# Altium PCB FMC_DAC_125M_14B_16CHA.PcbDoc (part 7 of 9)
Units mm, origin at the board's own origin, x right, y up, seen from the top; angles counter-clockwise.
Board outline 77.15 x 69 mm, 8 copper layers (L1, P2, L3, P4, L5, P6, L7, L8), stack 1.438 mm thick; 612 components, 516 nets, 2304 pads, 1339 vias.
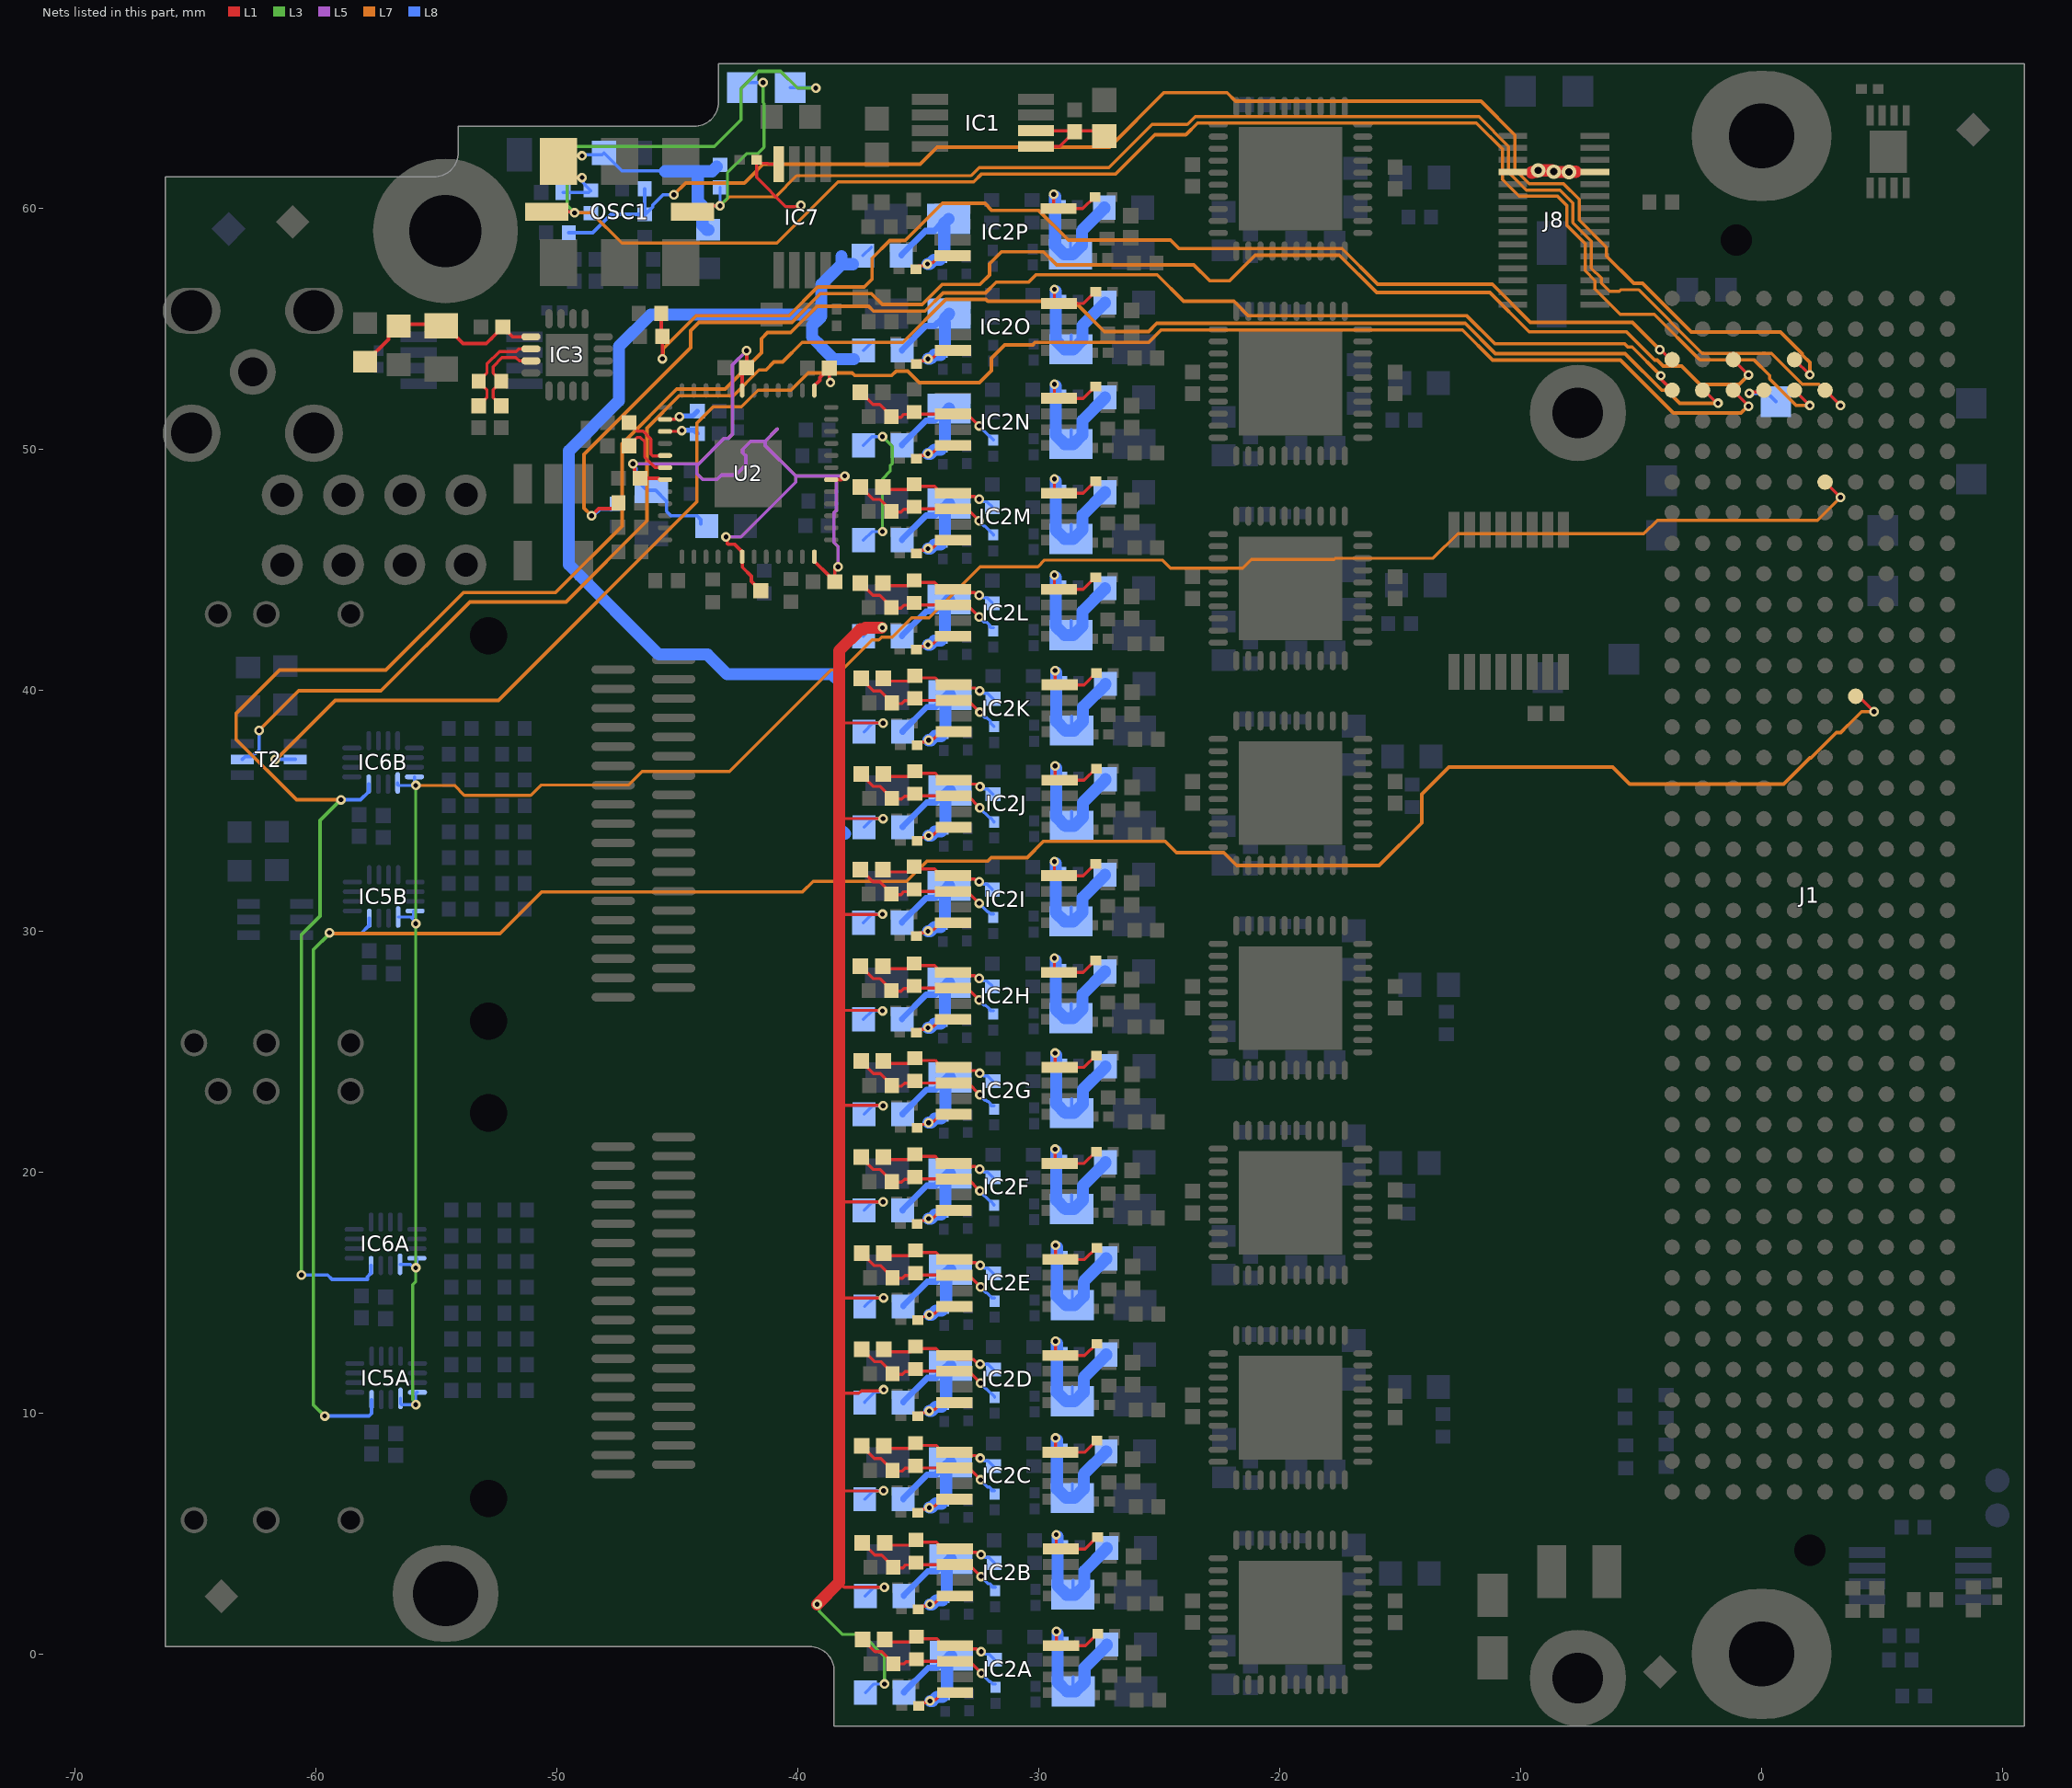
[diagram p13: the nets of this part, all layers, seen from the top]

## Via types
v1: diameter 0.4, hole 0.2, L1 to L8, tented both sides, 1114 vias
v2: diameter 0.5, hole 0.2, L1 to L8, tented both sides, 132 vias
v3: diameter 0.4, hole 0.2, L1 to L8, 61 vias
v4: diameter 0.6, hole 0.3, L1 to L8, tented both sides, 30 vias
v5: diameter 0.6, hole 0.3, L1 to L8, 2 vias

## Nets (pads, with @x,y where several pads share a name; then routed paths per layer and width w, separated by ;. In a path a pad name is that pad's centre, name@x,y a point inside that pad or via, vN(x,y) a via of type N, cw(c..) or ccw(c..) an arc to the next point about the centre after c; other vN are vias at no path point) (continued)
HB17_CC_N: J1.k38 R28.1 R30.2 | length 49.9
  L1 w0.127: v1(-4.231,54.131) -4.181,54.131 -3.766,53.716 J1.k38@-3.715,53.716
  L1 w0.145: R28.1@-45.667,55.634 -45.667,54.726 R30.2@-45.622,54.681 v1(-45.622,53.75)
  L7 w0.145: v1(-45.622,53.75) -45.589,53.783 -45.589,54.167 -44.218,55.539 -40.366,55.539 -39.176,56.729 -37.246,56.729 -36.919,57.056 -36.919,57.926 -36.19,58.656 -35.547,58.656 -34.002,60.2 -32.24,60.2 -31.946,59.906 -29.997,59.906 -28.772,58.681 -24.534,58.681 -24.179,58.326 -17.415,58.326 -15.931,56.842 -11.175,56.842 -9.594,55.261 -5.362,55.261 v1(-4.231,54.131)
HB17_CC_P: IC6A.4 IC6B.4 J1.k37 | length 103.7
  L1 w0.135: v1(-4.181,53.049) -4.181,52.912 J1.k37@-3.715,52.446
  L3 w0.145: v1(-60.603,15.728) -60.603,29.856 -59.833,30.626 -59.833,34.596 -58.979,35.45 v1(-58.961,35.45)
  L7 w0.145: v1(-58.961,35.45) -60.806,35.45 -63.32,37.964 -63.32,39.019 -61.51,40.83 -57.102,40.83 -53.881,44.05 -50.056,44.05 -47.299,46.808 -47.299,50.228 -45.035,52.492 -43.02,52.492 -41.515,53.998 -41.515,54.587 -41.263,54.838 -40.298,54.838 -39.201,55.935 -37.066,55.935 -36.863,55.732 -34.728,55.732 -33.971,56.489 -32.216,56.489 -31.77,56.935 -30.417,56.935 -30.113,57.239 -25.09,57.239 -23.986,56.136 -21.902,56.136 -21.302,55.535 -12.231,55.535 -11.068,54.372 -5.685,54.372 -5.551,54.239 -5.371,54.239 v1(-4.181,53.049)
  L8 w0.145: v1(-60.603,15.728) -59.521,15.728 -59.339,15.547 -57.867,15.547 -57.867,15.652 -57.714,15.806 IC6A.4@-57.714,16.121 ; v1(-58.961,35.45) -58.149,35.45 -57.814,35.785 IC6B.4@-57.814,36.1
HB18_N: J1.j37 T2.5 | length 74.8
  L1 w0.127: J1.j37@-2.445,52.446 -2.398,52.446 -1.857,51.904 v1(-1.81,51.904)
  L7 w0.145: v1(-62.365,38.328) -60.719,39.974 -57.302,39.974 -53.614,43.662 -49.627,43.662 -46.264,47.025 -46.264,50.878 -44.922,52.22 -42.681,52.22 -41.615,53.285 -41.325,53.285 -40.99,53.62 -40.635,53.62 -39.82,54.435 -35.64,54.435 -33.858,56.217 -32.196,56.217 -32.115,56.136 -28.535,56.136 -27.283,54.884 -25.441,54.884 -25.106,55.219 -12.299,55.219 -11.047,53.967 -5.664,53.967 -4.143,52.446 -3.934,52.446 -3.392,51.904 v1(-1.81,51.904)
  L8 w0.145: T2.5@-63.057,37.13 -62.95,37.237 -62.675,37.237 -62.532,37.38 -62.5,37.38 -62.365,37.515 v1(-62.365,38.328)
HB19_N: IC5A.1 IC5A.16 IC5B.1 IC5B.16 IC6A.1 IC6A.16 IC6B.1 IC6B.16 J1.e34 | length 96.4
  L1 w0.127: J1.e34@2.635,48.636 v1(3.27,48.001)
  L3 w0.127: v1(-55.861,10.34) -55.861,10.413 -55.993,10.545 -55.993,15.319 -55.86,15.452 v1(-55.86,30.311) v1@-55.86,36.042 ; v1@-55.861,36.042 v1(-55.86,36.044)
  L7 w0.127: v1(-55.86,36.044) -54.25,36.044 -53.841,35.635 -51.089,35.635 -50.663,36.061 -47.032,36.061 -46.468,36.625 -42.837,36.625 -38.626,40.835 -38.17,40.835 -36.919,42.086 -36.644,42.086 -36.529,42.2 -36.077,42.2 -35.281,42.996 -34.552,42.996 -32.432,45.116 -30.04,45.116 -29.759,45.398 -24.881,45.398 -24.54,45.057 -21.541,45.057 -21.179,45.418 -17.733,45.418 -17.679,45.472 -13.63,45.472 -12.614,46.489 -4.891,46.489 -4.33,47.05 2.319,47.05 v1(3.27,48.001)
  L8 w0.127: IC6B.1@-56.614,36.15 -56.614,36.077 -56.58,36.044 v1(-55.86,36.044) ; IC5B.1@-56.592,30.586 -56.081,30.586 ; IC6A.1@-56.514,16.171 -56.081,16.171 -55.934,16.024 v1(-55.86,16.024) -55.814,16.071 IC6A.16@-55.814,16.421 ; IC5A.1@-56.492,10.607 -56.492,10.373 -56.458,10.34 v1(-55.861,10.34) -55.861,10.823 -55.827,10.857 IC5A.16@-55.792,10.857 ; v1@-55.914,36.118 IC6B.16@-55.914,36.4 ; IC5B.16@-55.892,30.836 -55.928,30.836 -55.962,30.802 -55.962,30.586 -56.081,30.586 ; v1(-55.86,30.311) -55.86,30.366 -56.081,30.586
HB20_N: J1.f38 R8.1 R10.2 R16.2 | length 62.7
  L1 w0.127: J1.f38@1.365,53.716 1.368,53.716 1.997,53.087 v1(2,53.087)
  L7 w0.145: v1(-45.151,60.561) -44.662,61.05 -42.224,61.05 -41.444,61.83 -37.989,61.83 -37.982,61.823 -34.931,61.823 -34.216,62.538 -27.067,62.538 -24.81,64.796 -22.186,64.796 -21.832,64.441 -11.648,64.441 -10.237,63.03 -10.237,61.605 -9.649,61.017 -8.219,61.017 -7.57,60.368 -7.57,59.51 -6.439,58.38 -6.439,58.013 -5.308,56.882 -4.941,56.882 -2.923,54.863 0.785,54.863 1.683,53.966 1.683,53.914 2,53.597 v1(2,53.087)
  L8 w0.145: R10.2@-49.511,58.983 -48.52,58.983 -47.754,59.748 R8.1@-46.357,59.748 ; R16.2@-46.359,60.806 -46.357,60.804 R8.1@-46.357,59.748 ; v1(-45.151,60.561) -45.599,60.561 -46.022,60.138 -46.022,60.064 -46.337,59.748 R8.1@-46.357,59.748
HB20_P: J1.f37 OSC1.7 R5.1 TP1.1 | length 80.1
  L1 w0.127: J1.f37@1.365,52.446 v1(2,51.811)
  L1 w0.135: OSC1.7@-50.43,59.849 -49.311,59.849 v1(-49.268,59.807)
  L3 w0.135: v1(-49.268,59.807) -49.581,60.12 -49.581,62.347 -49.362,62.567 -43.464,62.567 -42.364,63.667 -42.364,64.956 -41.638,65.683 -40.715,65.683 -40.019,64.987 v1(-39.255,64.987)
  L7 w0.135: v1(-49.268,59.807) -48.563,59.807 -47.309,58.553 -40.876,58.553 -38.334,61.095 -32.699,61.095 -32.369,61.426 -26.811,61.426 -25.188,63.049 -23.896,63.049 -23.404,63.541 -11.839,63.541 -10.758,62.46 -10.758,61.182 -10.072,60.496 -8.474,60.496 -8.091,60.113 -8.091,59.295 -7.325,58.528 -7.325,57.404 -6.913,56.992 -6.913,56.642 -5.866,55.596 -4.455,55.596 -2.575,53.716 -0.323,53.716 0.335,53.057 0.335,52.917 1.442,51.811 v1(2,51.811)
  L8 w0.135: v1(-49.268,59.807) -48.601,59.807 R5.1@-48.59,59.795 ; TP1.1@-40.315,65.006 -39.274,65.006 v1(-39.255,64.987)
HB21_N: J1.e37 OSC1.8 R6.1 TP2.1 | length 65
  L1 w0.127: OSC1.8@-44.38,59.849 -43.855,59.849 -43.601,60.103 v1(-43.23,60.103) ; J1.e37@2.635,52.446 v1(3.27,51.811)
  L3 w0.127: v1(-43.23,60.103) -42.925,60.408 -42.925,61.466 -42.126,62.265 -41.668,62.265 -41.4,62.533 -41.4,64.341 -41.445,64.386 v1(-41.445,65.217)
  L7 w0.127: v1(-43.23,60.103) -42.861,60.472 -40.924,60.472 -40.044,61.353 -32.806,61.353 -32.476,61.684 -27.085,61.684 -25.295,63.474 -23.836,63.474 -23.511,63.799 -11.732,63.799 -10.5,62.567 -10.5,61.497 -9.758,60.754 -8.367,60.754 -7.833,60.22 -7.833,59.402 -7.066,58.635 -7.066,57.511 -6.654,57.099 -6.654,56.902 -6.3,56.548 -5.898,56.548 -5.827,56.619 -5.113,56.619 -2.468,53.974 0.405,53.974 1.683,52.696 2.384,52.696 v1(3.27,51.811)
  L8 w0.127: v1(-43.23,60.103) R6.1@-43.23,60.862 ; TP2.1@-42.315,65.006 -42.104,65.217 v1(-41.445,65.217)
LA26_N: IC5A.4 IC5B.4 J1.d27 | length 96.2
  L1 w0.127: J1.d27@4.033,39.737 v1@4.665,39.105
  L3 w0.145: v1(-59.64,9.872) -60.107,10.34 -60.107,29.229 -59.439,29.897 v1(-59.439,29.935)
  L7 w0.127: 3.563,38.519 4.148,39.105 v1(4.668,39.105)
  L7 w0.145: v1(-59.439,29.935) -59.398,29.893 -52.36,29.893 -50.631,31.622 -39.808,31.622 -39.365,32.066 -35.487,32.066 -34.646,32.906 -32.12,32.906 -31.975,33.051 -30.481,33.051 -29.807,33.725 -24.758,33.725 -24.289,33.256 -22.319,33.256 -21.786,32.723 -15.874,32.723 -14.108,34.489 -14.108,35.679 -12.981,36.806 -6.182,36.806 -5.471,36.095 0.915,36.095 2.01,37.19 2.054,37.19 3.104,38.24 3.284,38.24 3.563,38.519
  L8 w0.145: v1(-59.64,9.872) -57.802,9.872 -57.692,9.982 IC5A.4@-57.692,10.557 ; v1(-59.439,29.935) -59.39,29.886 -58.142,29.886 -57.792,30.236 IC5B.4@-57.792,30.536
LA32_N: J1.h38 R17.1 R24.2 | length 62.4
  L1 w0.127: J1.h38@-1.175,53.716 -1.172,53.716 -0.543,53.086 v1(-0.54,53.086)
  L1 w0.145: v1(-48.561,47.236) -48.262,47.535 -47.659,47.535 -47.621,47.572 -47.621,47.592 R17.1@-47.441,47.772
  L7 w0.145: v1(-48.561,47.236) -48.876,47.551 -48.876,49.785 -44.45,54.211 -44.45,54.922 -44.105,55.267 -40.253,55.267 -39.064,56.457 -36.946,56.457 -36.493,56.004 -34.841,56.004 -34.007,56.838 -32.44,56.838 -32.044,57.234 -32.044,57.696 -31.55,58.19 -29.805,58.19 -29.264,57.649 -23.565,57.649 -22.908,56.992 -22.082,56.992 -21.02,58.054 -17.527,58.054 -15.977,56.504 -11.281,56.504 -9.646,54.869 -5.611,54.869 -4.437,53.694 -4.331,53.694 -4.085,53.448 -3.319,53.448 -2.557,52.687 -0.94,52.687 v1(-0.54,53.086)
  L8 w0.145: v1(-48.561,47.236) -48.492,47.236 -48.211,47.517 -47.722,47.517 R24.2@-47.505,47.734
LA32_P: J1.h37 T2.2 | length 74.6
  L1 w0.127: J1.h37@-1.175,52.446 -1.175,52.43 -0.54,51.795 v1(-0.54,51.779)
  L7 w0.145: v1(-61.703,37.13) -61.642,37.13 -59.199,39.573 -52.432,39.573 -44.191,47.814 -44.191,51.078 -43.509,51.76 -42.343,51.76 -41.657,52.446 -40.289,52.446 -39.571,53.164 -37.747,53.164 -37.639,53.056 -36.104,53.056 -35.916,53.244 -35.447,53.244 -34.968,52.765 -32.462,52.765 -31.967,53.26 -31.967,53.776 -31.414,54.33 -30.256,54.33 -30.151,54.435 -25.436,54.435 -24.924,54.947 -12.412,54.947 -11.16,53.694 -5.853,53.694 -3.663,51.504 -0.856,51.504 -0.582,51.779 v1(-0.54,51.779)
  L8 w0.145: v1(-61.703,37.13) T2.2@-60.857,37.13
LA33_N: J1.g37 TP3.1 | length 1.9
  L1 w0.145: v3(-0.511,52.321) -0.462,52.37 0.02,52.37 J1.g37@0.095,52.446
  L8 w0.152: v3(-0.511,52.321) 0.245,52.321 TP3.1@0.594,51.972
N3V0A: C37.2 IC7.4 J8.7 J8.8 L2A.1 L2B.1 L2C.1 L2D.1 L2E.1 L2F.1 L2G.1 L2H.1 L2I.1 L2J.1 L2K.1 L2L.1 L2M.1 L2N.1 L2O.1 L2P.1 | length 134.4
  L1 w0.127: IC7.4@-40.796,61.83 -41.236,61.83 -41.274,61.868 -41.578,61.868 C37.2@-41.715,62.004 -41.715,61.278 -40.502,60.066 -39.922,60.066 v1(-39.871,60.116) ; -38.284,2.972 -38.076,2.764 v1(-36.415,2.764) ; -38.284,6.766 -36.45,6.766 v1(-36.44,6.777) ; -38.284,10.815 -37.473,10.815 -37.369,10.92 -36.483,10.92 v1(-36.438,10.965) ; -38.284,14.656 -38.162,14.778 v1(-36.44,14.778) ; -38.284,18.765 v1(-36.465,18.765) ; -38.284,22.772 -36.484,22.772 v1(-36.465,22.753) ; -38.284,26.713 -36.514,26.713 v1(-36.491,26.69) ; -38.284,30.686 -36.508,30.686 v1(-36.491,30.703) ; -38.284,34.756 -38.194,34.666 v1(-36.465,34.666) ; -38.284,38.638 -36.475,38.638 v1(-36.465,38.628)
  L1 w0.5: v3(-39.198,2.058) -38.284,2.972 -38.284,6.766 -38.284,10.815 -38.284,14.656 -38.284,18.765 -38.284,22.772 -38.284,26.713 -38.284,30.686 -38.284,34.756 -38.284,38.638 -38.284,41.641 -37.404,42.522 -37.268,42.522 -37.199,42.591 v1@-36.539,42.591 ; v4@-9.532,61.504 -9.327,61.504 -9.275,61.556 v4(-9.275,61.57) -8.691,61.57 v4@-8.653,61.532 ; v4@-8.64,61.532 v4(-8.625,61.517) ; v4@-8.631,61.511 -8.003,61.511 v4(-7.997,61.504) -7.988,61.514 v4@-7.703,61.514
  L3 w0.127: v3@-39.116,1.902 -39.116,1.767 -38.16,0.811 -37.327,0.811 -36.405,-0.111 v1(-36.405,-1.25) ; v1(-36.491,46.578) -36.491,48.771 -36.169,49.092 -36.169,49.317 -36.085,49.401 -36.085,50.109 v1(-36.491,50.515)
  L8 w0.127: L2P.1@-37.304,58.034 L2P.1@-36.948,58.39 ; L2H.1@-37.278,26.335 -36.923,26.69 v1(-36.491,26.69) ; L2I.1@-37.278,30.348 -36.923,30.703 v1(-36.491,30.703) ; L2L.1@-37.278,42.235 -36.923,42.591 v1(-36.491,42.591) ; L2M.1@-37.278,46.223 -36.923,46.578 v1(-36.491,46.578) ; L2N.1@-37.278,50.16 -36.923,50.515 v1(-36.491,50.515) ; L2O.1@-37.278,54.097 L2O.1@-36.923,54.453 ; L2F.1@-37.253,18.41 -36.897,18.765 v1(-36.465,18.765) ; L2G.1@-37.253,22.398 -36.897,22.753 v1(-36.465,22.753) ; L2J.1@-37.253,34.31 -36.897,34.666 v1(-36.465,34.666) ; L2K.1@-37.253,38.273 -36.897,38.628 v1(-36.465,38.628) ; L2C.1@-37.227,6.421 -36.872,6.777 v1(-36.44,6.777) ; L2D.1@-37.227,10.434 -37.227,10.459 -36.816,10.871 -36.606,10.871 -36.512,10.965 v1(-36.438,10.965) ; L2E.1@-37.227,14.422 -36.872,14.778 v1(-36.44,14.778) ; L2B.1@-37.202,2.408 -36.846,2.764 v1(-36.415,2.764) ; L2A.1@-37.192,-1.605 -36.837,-1.25 v1(-36.405,-1.25)
  L8 w0.5: -39.485,55.588 -46.102,55.588 -47.431,54.259 -47.431,52.004 -49.501,49.934 -49.501,45.205 -45.773,41.477 -43.755,41.477 -42.938,40.66 -38.577,40.66 -38.284,40.367 -38.284,34.285 -38.035,34.035 ; -38.185,58.014 -38.185,57.678 ; L2P.1@-37.71,57.678 -38.185,57.678 ; L2O.1@-37.685,53.741 -38.523,53.741 -39.026,54.245 -39.026,54.26 -39.411,54.645 -39.411,55.123 -39.026,55.508 -39.026,56.838 -38.185,57.678
NetC1A_1: C1A.1 C2A.1 C3A.1 IC2A.8 L1A.1 | length 9
  L1 w0.127: v1(-29.267,0.935) -29.267,0.506 -29.106,0.345 IC2A.8@-29.074,0.345 -29.07,0.341 -28.067,0.341 -27.575,0.833 C1A.1@-27.55,0.833
  L8 w0.127: v1(-29.267,0.935) -29.215,0.882 -29.215,0.782 -29.214,0.781 -29.148,0.715 -29.148,0.643 -29.012,0.506 C2A.1@-28.987,0.506 ; C3A.1@-28.576,-1.555 C3A.1@-28.576,-0.955
  L8 w0.5: v1@-29.214,0.856 -29.214,0.781 -29.214,0.506 -29.214,-1.18 -28.839,-1.555 C3A.1@-28.576,-1.555 -28.479,-1.555 -28.104,-1.18 -28.104,-0.572 -27.172,0.361 L1A.1@-27.172,0.386
NetC1B_1: C1B.1 C2B.1 C3B.1 IC2B.8 L1B.1 | length 9
  L1 w0.127: v1(-29.277,4.948) -29.277,4.519 -29.116,4.358 IC2B.8@-29.084,4.358 -29.08,4.354 -28.077,4.354 -27.585,4.846 C1B.1@-27.56,4.846
  L8 w0.127: v1(-29.277,4.948) -29.225,4.896 -29.225,4.795 -29.224,4.794 -29.158,4.729 -29.158,4.656 -29.022,4.519 C2B.1@-28.997,4.519 ; C3B.1@-28.586,2.459 C3B.1@-28.586,3.058
  L8 w0.5: v1@-29.224,4.869 -29.224,4.794 -29.224,4.519 -29.224,2.834 -28.849,2.459 C3B.1@-28.586,2.459 -28.489,2.459 -28.114,2.834 -28.114,3.442 -27.182,4.374 L1B.1@-27.182,4.399
NetC1C_1: C1C.1 C2C.1 C3C.1 IC2C.8 L1C.1 | length 9
  L1 w0.127: v1(-29.303,8.961) -29.303,8.533 -29.141,8.371 IC2C.8@-29.109,8.371 -29.105,8.367 -28.102,8.367 -27.61,8.86 C1C.1@-27.585,8.86
  L8 w0.127: v1(-29.303,8.961) -29.25,8.909 -29.25,8.809 -29.249,8.808 -29.184,8.742 -29.184,8.669 -29.047,8.533 C2C.1@-29.022,8.533 ; C3C.1@-28.612,6.472 C3C.1@-28.612,7.071
  L8 w0.5: v1@-29.249,8.883 -29.249,8.808 -29.249,8.533 -29.249,6.847 -28.874,6.472 C3C.1@-28.612,6.472 -28.514,6.472 -28.139,6.847 -28.139,7.455 -27.207,8.387 L1C.1@-27.207,8.412
NetC1D_1: C1D.1 C2D.1 C3D.1 IC2D.8 L1D.1 | length 9
  L1 w0.127: v1(-29.303,12.974) -29.303,12.546 -29.141,12.384 IC2D.8@-29.109,12.384 -29.105,12.381 -28.102,12.381 -27.61,12.873 C1D.1@-27.585,12.873
  L8 w0.127: v1(-29.303,12.974) -29.25,12.922 -29.25,12.822 -29.249,12.821 -29.184,12.755 -29.184,12.682 -29.047,12.546 C2D.1@-29.022,12.546 ; C3D.1@-28.612,10.485 C3D.1@-28.612,11.084
  L8 w0.5: v1@-29.249,12.896 -29.249,12.821 -29.249,12.546 -29.249,10.86 -28.874,10.485 C3D.1@-28.612,10.485 -28.514,10.485 -28.139,10.86 -28.139,11.468 -27.207,12.4 L1D.1@-27.207,12.425
NetC1E_1: C1E.1 C2E.1 C3E.1 IC2E.8 L1E.1 | length 9
  L1 w0.127: v1(-29.303,16.962) -29.303,16.534 -29.141,16.372 IC2E.8@-29.109,16.372 -29.105,16.368 -28.102,16.368 -27.61,16.861 C1E.1@-27.585,16.861
  L8 w0.127: v1(-29.303,16.962) -29.25,16.91 -29.25,16.81 -29.249,16.809 -29.184,16.743 -29.184,16.67 -29.047,16.534 C2E.1@-29.022,16.534 ; C3E.1@-28.612,14.473 C3E.1@-28.612,15.072
  L8 w0.5: v1@-29.249,16.884 -29.249,16.809 -29.249,16.534 -29.249,14.848 -28.874,14.473 C3E.1@-28.612,14.473 -28.514,14.473 -28.139,14.848 -28.139,15.456 -27.207,16.388 L1E.1@-27.207,16.413
NetC1F_1: C1F.1 C2F.1 C3F.1 IC2F.8 L1F.1 | length 9
  L1 w0.127: v1(-29.328,20.95) -29.328,20.521 -29.167,20.36 IC2F.8@-29.135,20.36 -29.131,20.356 -28.128,20.356 -27.636,20.848 C1F.1@-27.611,20.848
  L8 w0.127: v1(-29.328,20.95) -29.276,20.897 -29.276,20.797 -29.275,20.796 -29.209,20.731 -29.209,20.658 -29.073,20.521 C2F.1@-29.048,20.521 ; C3F.1@-28.637,18.461 C3F.1@-28.637,19.06
  L8 w0.5: v1@-29.275,20.871 -29.275,20.796 -29.275,20.521 -29.275,18.836 -28.9,18.461 C3F.1@-28.637,18.461 -28.54,18.461 -28.165,18.836 -28.165,19.444 -27.232,20.376 L1F.1@-27.232,20.401
NetC1G_1: C1G.1 C2G.1 C3G.1 IC2G.8 L1G.1 | length 9
  L1 w0.127: v1(-29.328,24.938) -29.328,24.509 -29.167,24.348 IC2G.8@-29.135,24.348 -29.131,24.344 -28.128,24.344 -27.636,24.836 C1G.1@-27.611,24.836
  L8 w0.127: v1(-29.328,24.938) -29.276,24.885 -29.276,24.785 -29.275,24.784 -29.209,24.718 -29.209,24.646 -29.073,24.509 C2G.1@-29.048,24.509 ; C3G.1@-28.637,22.448 C3G.1@-28.637,23.048
  L8 w0.5: v1@-29.275,24.859 -29.275,24.784 -29.275,24.509 -29.275,22.823 -28.9,22.448 C3G.1@-28.637,22.448 -28.54,22.448 -28.165,22.823 -28.165,23.431 -27.232,24.364 L1G.1@-27.232,24.389
NetC1H_1: C1H.1 C2H.1 C3H.1 IC2H.8 L1H.1 | length 9
  L1 w0.127: v1(-29.353,28.875) -29.353,28.446 -29.192,28.285 IC2H.8@-29.16,28.285 -29.156,28.281 -28.153,28.281 -27.661,28.773 C1H.1@-27.636,28.773
  L8 w0.127: v1(-29.353,28.875) -29.301,28.822 -29.301,28.722 -29.3,28.721 -29.234,28.655 -29.234,28.583 -29.098,28.446 C2H.1@-29.073,28.446 ; C3H.1@-28.662,26.385 C3H.1@-28.662,26.985
  L8 w0.5: v1@-29.3,28.796 -29.3,28.721 -29.3,28.446 -29.3,26.76 -28.925,26.385 C3H.1@-28.662,26.385 -28.565,26.385 -28.19,26.76 -28.19,27.368 -27.258,28.301 L1H.1@-27.258,28.326
NetC1I_1: C1I.1 C2I.1 C3I.1 IC2I.8 L1I.1 | length 9
  L1 w0.127: v1(-29.353,32.888) -29.353,32.459 -29.192,32.298 IC2I.8@-29.16,32.298 -29.156,32.294 -28.153,32.294 -27.661,32.786 C1I.1@-27.636,32.786
  L8 w0.127: v1(-29.353,32.888) -29.301,32.835 -29.301,32.735 -29.3,32.734 -29.234,32.669 -29.234,32.596 -29.098,32.459 C2I.1@-29.073,32.459 ; C3I.1@-28.662,30.399 C3I.1@-28.662,30.998
  L8 w0.5: v1@-29.3,32.809 -29.3,32.734 -29.3,32.459 -29.3,30.774 -28.925,30.399 C3I.1@-28.662,30.399 -28.565,30.399 -28.19,30.774 -28.19,31.382 -27.258,32.314 L1I.1@-27.258,32.339
NetC1J_1: C1J.1 C2J.1 C3J.1 IC2J.8 L1J.1 | length 9
  L1 w0.127: v1(-29.328,36.85) -29.328,36.422 -29.167,36.26 IC2J.8@-29.135,36.26 -29.131,36.256 -28.128,36.256 -27.636,36.749 C1J.1@-27.611,36.749
  L8 w0.127: v1(-29.328,36.85) -29.276,36.798 -29.276,36.698 -29.275,36.697 -29.209,36.631 -29.209,36.558 -29.073,36.422 C2J.1@-29.048,36.422 ; C3J.1@-28.637,34.361 C3J.1@-28.637,34.96
  L8 w0.5: v1@-29.275,36.772 -29.275,36.697 -29.275,36.422 -29.275,34.736 -28.9,34.361 C3J.1@-28.637,34.361 -28.54,34.361 -28.165,34.736 -28.165,35.344 -27.232,36.276 L1J.1@-27.232,36.301
NetC1K_1: C1K.1 C2K.1 C3K.1 IC2K.8 L1K.1 | length 9
  L1 w0.127: v1(-29.328,40.813) -29.328,40.384 -29.167,40.223 IC2K.8@-29.135,40.223 -29.131,40.219 -28.128,40.219 -27.636,40.711 C1K.1@-27.611,40.711
  L8 w0.127: v1(-29.328,40.813) -29.276,40.76 -29.276,40.66 -29.275,40.659 -29.209,40.593 -29.209,40.521 -29.073,40.384 C2K.1@-29.048,40.384 ; C3K.1@-28.637,38.323 C3K.1@-28.637,38.923
  L8 w0.5: v1@-29.275,40.734 -29.275,40.659 -29.275,40.384 -29.275,38.698 -28.9,38.323 C3K.1@-28.637,38.323 -28.54,38.323 -28.165,38.698 -28.165,39.306 -27.232,40.239 L1K.1@-27.232,40.264
NetC1L_1: C1L.1 C2L.1 C3L.1 IC2L.8 L1L.1 | length 9
  L1 w0.127: v1(-29.353,44.775) -29.353,44.346 -29.192,44.185 IC2L.8@-29.16,44.185 -29.156,44.181 -28.153,44.181 -27.661,44.673 C1L.1@-27.636,44.673
  L8 w0.127: v1(-29.353,44.775) -29.301,44.723 -29.301,44.622 -29.3,44.621 -29.234,44.556 -29.234,44.483 -29.098,44.346 C2L.1@-29.073,44.346 ; C3L.1@-28.662,42.286 C3L.1@-28.662,42.885
  L8 w0.5: v1@-29.3,44.696 -29.3,44.621 -29.3,44.346 -29.3,42.661 -28.925,42.286 C3L.1@-28.662,42.286 -28.565,42.286 -28.19,42.661 -28.19,43.269 -27.258,44.201 L1L.1@-27.258,44.226
NetC1M_1: C1M.1 C2M.1 C3M.1 IC2M.8 L1M.1 | length 9
  L1 w0.127: v1(-29.353,48.763) -29.353,48.334 -29.192,48.173 IC2M.8@-29.16,48.173 -29.156,48.169 -28.153,48.169 -27.661,48.661 C1M.1@-27.636,48.661